# Altium PCB WunderBar_v102b.PcbDoc (part 1 of 7) (continued)
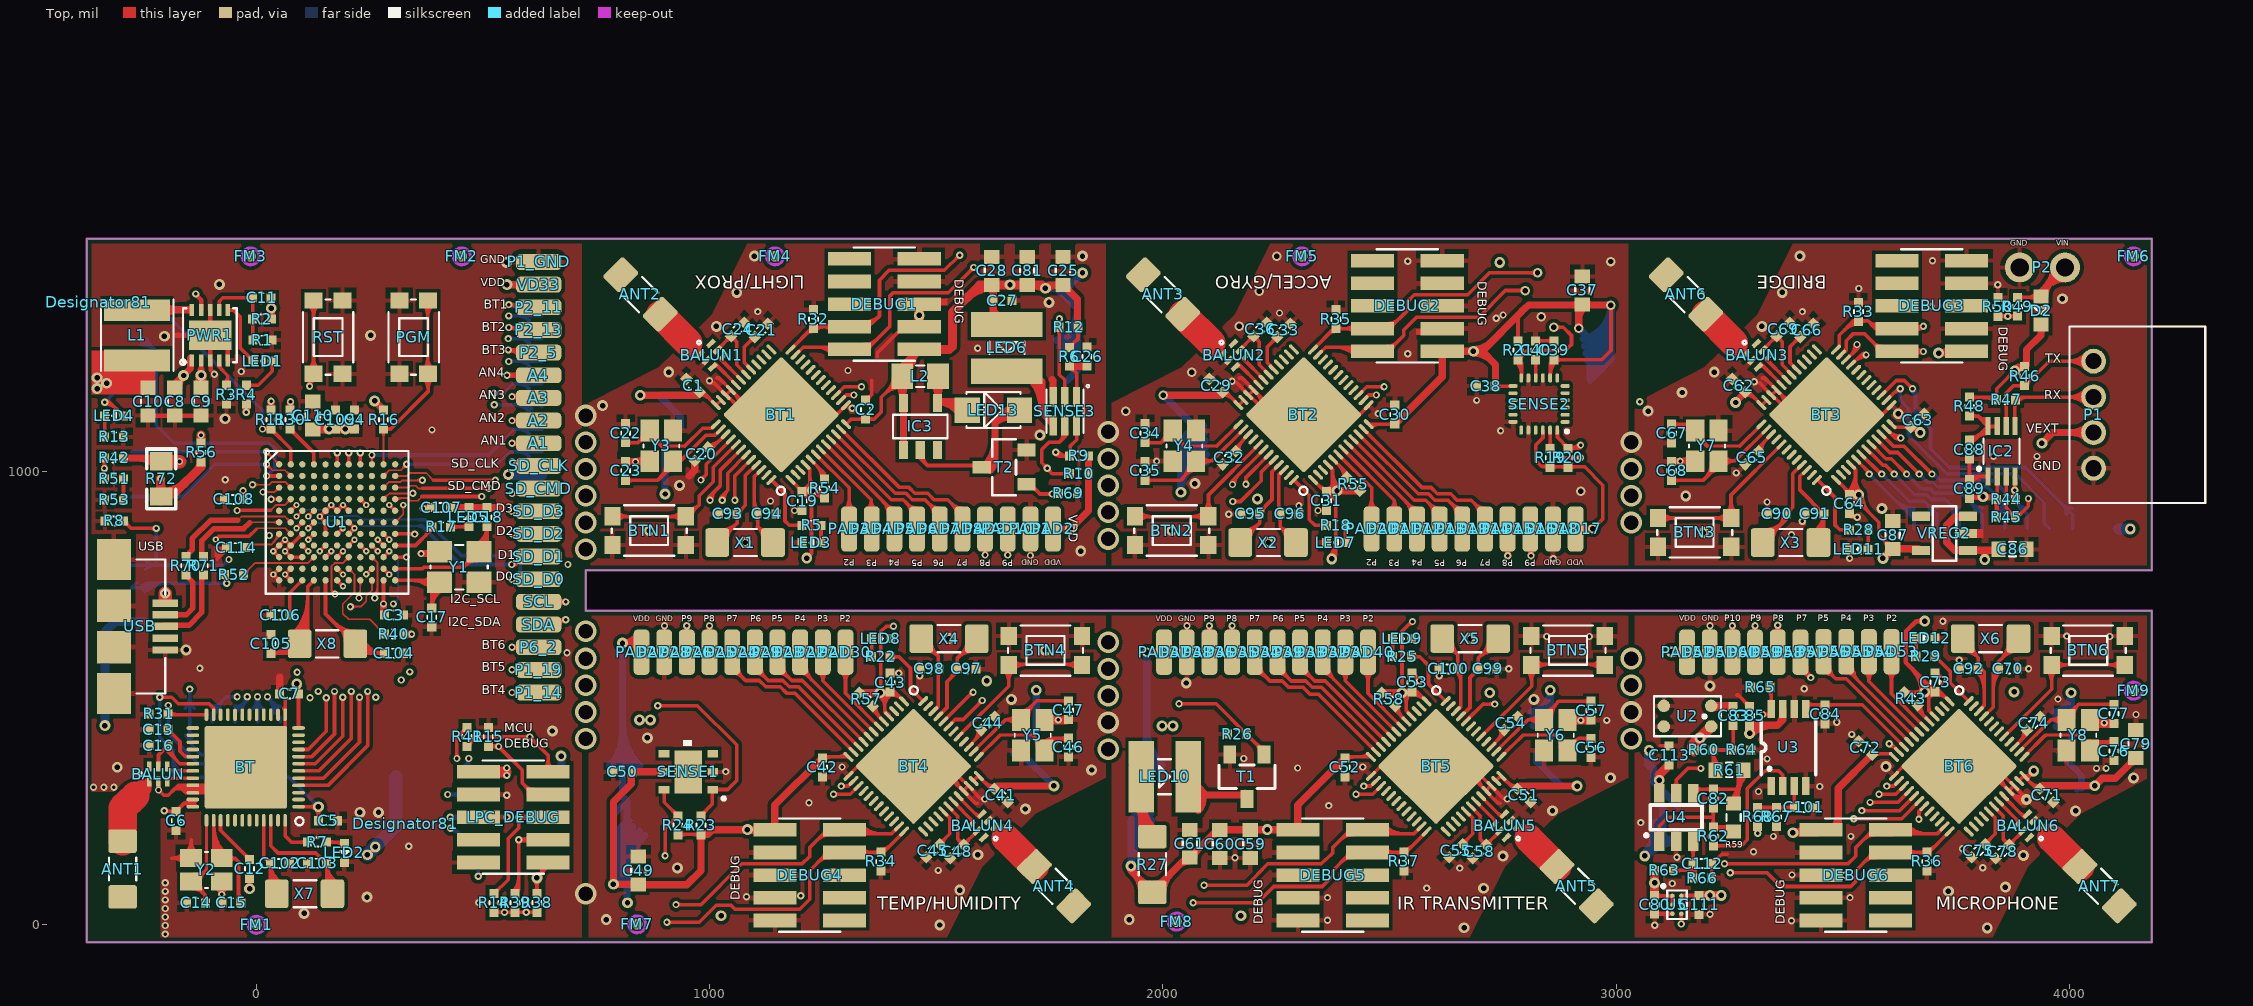
[diagram p0: Top view]
## Components (designator, comment, footprint, x,y, rotation, side; value= is the part's Value field where it differs from the comment) (continued)
LED2 "YELLOW" 0402_POLAR 193.96,159 r270 top
LED3 "YELLOW" 0402_POLAR 1224.48,843.48 r180 top
LED4 "YELLOW" 0402_POLAR -314.35,1122.93 r180 top
LED5 "YELLOW" 0402_POLAR 468.48,899.52 r90 top
LED6 "SFH4441" MIDLED 1655.48,1273.48 r270 top
LED7 "YELLOW" 0402_POLAR 2381.48,843.48 r180 top
LED8 "YELLOW" 0402_POLAR 1377.48,631.48 r0 top
LED9 "YELLOW" 0402_POLAR 2527.48,631.48 r0 top
LED10 "SFH4441" MIDLED 2003.48,326.48 r0 top
LED11 "YELLOW" 0402_POLAR 3535.48,828.48 r180 top
LED12 "YELLOW" 0402_POLAR 3682.67,632.48 r0 top
LED13 "White" LED3X2 1625.48,1135.48 r0 top
LPC_DEBUG "DEBUG" 2X05_SMT 566.48,237.48 r270 top
NRF_DEBUG "DEBUG" 2X05_SMT -67.52,225.48 r270 bottom
P1 "GROVE_CONN" GROVE-CONN-TH 4053.58,1125.48 r180 top
P1_14 "P1" PCB_MEDIUM_RECT_PAD 622.48,512.48 r0 top
P1_19 "P1" PCB_MEDIUM_RECT_PAD 622.48,562.48 r0 top
P1_GND "GND" PCB_MEDIUM_RECT_PAD 622.48,1462.48 r180 top
P2 "header" 1X02_ROUND 3940.48,1450.48 r0 top
P2_5 "P1" PCB_MEDIUM_RECT_PAD 622.48,1262.48 r0 top
P2_11 "P1" PCB_MEDIUM_RECT_PAD 622.48,1362.48 r0 top
P2_13 "P1" PCB_MEDIUM_RECT_PAD 622.48,1312.48 r0 top
P6_2 "P1" PCB_MEDIUM_RECT_PAD 622.48,612.48 r0 top
PAD1 "P1" PCB_MEDIUM_RECT_PAD 1707.48,873.48 r90 top
PAD2 "P1" PCB_MEDIUM_RECT_PAD 1757.48,873.48 r90 top
PAD3 "P1" PCB_MEDIUM_RECT_PAD 1307.48,873.48 r90 top
PAD4 "P1" PCB_MEDIUM_RECT_PAD 1357.48,873.48 r90 top
PAD5 "P1" PCB_MEDIUM_RECT_PAD 1407.48,873.48 r90 top
PAD6 "P1" PCB_MEDIUM_RECT_PAD 1457.48,873.48 r90 top
PAD7 "P1" PCB_MEDIUM_RECT_PAD 1507.48,873.48 r90 top
PAD8 "P1" PCB_MEDIUM_RECT_PAD 1557.48,873.48 r90 top
PAD9 "P1" PCB_MEDIUM_RECT_PAD 1607.48,873.48 r90 top
PAD10 "P1" PCB_MEDIUM_RECT_PAD 1657.48,873.48 r90 top
PAD11 "P1" PCB_MEDIUM_RECT_PAD 2510.48,873.48 r90 top
PAD12 "P1" PCB_MEDIUM_RECT_PAD 2560.48,873.48 r90 top
PAD13 "P1" PCB_MEDIUM_RECT_PAD 2610.48,873.48 r90 top
PAD14 "P1" PCB_MEDIUM_RECT_PAD 2710.48,873.48 r90 top
PAD15 "P1" PCB_MEDIUM_RECT_PAD 2760.48,873.48 r90 top
PAD16 "P1" PCB_MEDIUM_RECT_PAD 2810.48,873.48 r90 top
PAD17 "P1" PCB_MEDIUM_RECT_PAD 2910.48,873.48 r90 top
PAD18 "P1" PCB_MEDIUM_RECT_PAD 2860.48,873.48 r90 top
PAD19 "P1" PCB_MEDIUM_RECT_PAD 2660.48,873.48 r90 top
PAD20 "P1" PCB_MEDIUM_RECT_PAD 2460.48,873.48 r90 top
PAD21 "P1" PCB_MEDIUM_RECT_PAD 1249.48,601.48 r270 top
PAD22 "P1" PCB_MEDIUM_RECT_PAD 1199.48,601.48 r270 top
PAD23 "P1" PCB_MEDIUM_RECT_PAD 1149.48,601.48 r270 top
PAD24 "P1" PCB_MEDIUM_RECT_PAD 1049.48,601.48 r270 top
PAD25 "P1" PCB_MEDIUM_RECT_PAD 999.48,601.48 r270 top
PAD26 "P1" PCB_MEDIUM_RECT_PAD 949.48,601.48 r270 top
PAD27 "P1" PCB_MEDIUM_RECT_PAD 849.48,601.48 r270 top
PAD28 "P1" PCB_MEDIUM_RECT_PAD 899.48,601.48 r270 top
PAD29 "P1" PCB_MEDIUM_RECT_PAD 1099.48,601.48 r270 top
PAD30 "P1" PCB_MEDIUM_RECT_PAD 1299.48,601.48 r270 top
PAD31 "P1" PCB_MEDIUM_RECT_PAD 2402.48,601.48 r270 top
PAD32 "P1" PCB_MEDIUM_RECT_PAD 2352.48,601.48 r270 top
PAD33 "P1" PCB_MEDIUM_RECT_PAD 2302.48,601.48 r270 top
PAD34 "P1" PCB_MEDIUM_RECT_PAD 2202.48,601.48 r270 top
PAD35 "P1" PCB_MEDIUM_RECT_PAD 2152.48,601.48 r270 top
PAD36 "P1" PCB_MEDIUM_RECT_PAD 2102.48,601.48 r270 top
PAD37 "P1" PCB_MEDIUM_RECT_PAD 2002.48,601.48 r270 top
PAD38 "P1" PCB_MEDIUM_RECT_PAD 2052.48,601.48 r270 top
PAD39 "P1" PCB_MEDIUM_RECT_PAD 2252.48,601.48 r270 top
PAD40 "P1" PCB_MEDIUM_RECT_PAD 2452.48,601.48 r270 top
PAD41 "P1" PCB_MEDIUM_RECT_PAD 3707.13,873.48 r270 bottom
PAD42 "P1" PCB_MEDIUM_RECT_PAD 3757.13,873.48 r270 bottom
PAD43 "P1" PCB_MEDIUM_RECT_PAD 3807.13,873.48 r270 bottom
PAD44 "P1" PCB_MEDIUM_RECT_PAD 3907.13,873.48 r270 bottom
PAD45 "P1" PCB_MEDIUM_RECT_PAD 3957.13,873.48 r270 bottom
PAD46 "P1" PCB_MEDIUM_RECT_PAD 4007.13,873.48 r270 bottom
PAD47 "P1" PCB_MEDIUM_RECT_PAD 4107.13,873.48 r270 bottom
PAD48 "P1" PCB_MEDIUM_RECT_PAD 4057.13,873.48 r270 bottom
PAD49 "P1" PCB_MEDIUM_RECT_PAD 3857.13,873.48 r270 bottom
PAD50 "P1" PCB_MEDIUM_RECT_PAD 3657.13,873.48 r270 bottom
PAD51 "P1" PCB_MEDIUM_RECT_PAD 3206.52,601.48 r90 top
PAD52 "P1" PCB_MEDIUM_RECT_PAD 3156.5,601.48 r90 top
PAD53 "P1" PCB_MEDIUM_RECT_PAD 3607.66,602.48 r90 top
PAD54 "P1" PCB_MEDIUM_RECT_PAD 3557.64,602.48 r90 top
PAD55 "P1" PCB_MEDIUM_RECT_PAD 3507.62,602.48 r90 top
PAD56 "P1" PCB_MEDIUM_RECT_PAD 3457.61,602.48 r90 top
PAD57 "P1" PCB_MEDIUM_RECT_PAD 3406.59,601.48 r90 top
PAD58 "P1" PCB_MEDIUM_RECT_PAD 3356.57,601.48 r90 top
PAD59 "P1" PCB_MEDIUM_RECT_PAD 3306.55,601.48 r90 top
PAD60 "P1" PCB_MEDIUM_RECT_PAD 3256.53,601.48 r90 top
PGM "Tact Sw 4.6x2.8" CK-KMR2 346.48,1296.48 r0 top
PWR1 "LTC4081DFN" LTC4080_DFN -102.52,1300.48 r90 top
R1 "95k3" 0402 13,1289.96 r180 top
R2 "300k" 0402 11.48,1336.48 r0 top
R3 "2K94" 0402 -66.52,1169.48 r90 top
R4 "220" 0402 -22.52,1169.81 r270 top
R5 "220" 0402 1224.48,881.48 r0 top
R6 "22" 0402 1793.48,1253.48 r270 top
R7 "220" 0402 133.48,182.48 r0 top
R8 "10k" 0402 -314.23,891.13 r0 top
R9 "10k" 0402 1814.48,1034.48 r0 top
R10 "10k" 0402 1814.48,995.48 r0 top
R11 "10k" 0402 31.7,1114.48 r90 top
R12 "10k" 0402 1791.48,1318.48 r0 top
R13 "220" 0402 -314.35,1076.52 r180 top
R14 "10k" 0402 523.48,48.48 r270 top
R15 "10k" 0402 511.48,414.48 r90 top
R16 "10k" 0402 280.14,1114.48 r90 top
R17 "220" 0402 407.48,877.85 r180 top
R18 "220" 0402 2381.48,881.48 r0 top
R19 "10k" 0402 2854.48,1030.48 r270 top
R20 "10k" 0402 2893.48,1030.48 r270 top
R21 "10k" 0402 2783.48,1267.48 r90 top
R22 "220" 0402 1377.49,591.49 r180 top
R23 "10k" 0402 980.48,219.48 r270 top
R24 "10k" 0402 929.48,219.48 r270 top
R25 "220" 0402 2527.82,591.49 r180 top
R26 "10k" 0402 2163.48,420.48 r0 top
R27 "20 0.2W" 1206_MINIMELF_COMBO 1976.48,133.48 r270 top
R28 "220" 0402 3535.48,871.48 r0 top
R29 "220" 0402 3683,592.49 r180 top
R30 "100" 0402 73.93,1114.81 r270 top
R31 "10k" 0402 -216.52,465.48 r0 top
R32 "10k" 0402 1228.48,1336.48 r270 top
R33 "10k" 0402 3534.48,1352.48 r270 top
R34 "10k" 0402 1377.48,139.48 r90 top
R35 "10k" 0402 2381.48,1336.48 r270 top
R36 "10k" 0402 3685.5,139.5 r90 top
R37 "10k" 0402 2531.48,139.48 r90 top
R38 "10k" 0402 618.48,48.48 r270 top
R39 "10k" 0402 570.48,48.48 r270 top
R40 "10k" 0402 302.76,641.32 r0 top
R41 "10k" 0402 464.48,414.48 r90 top
R42 "10k" 0402 -314.68,1030.11 r0 top
R43 "100" 0402 3650.24,498.83 r315 top
R44 "10k" 0402 3860.48,938.48 r180 top
R45 "10k" 0402 3860.48,899.48 r180 top
R46 "10k" 0402 3901.48,1210.48 r90 top
R47 "10k" 0402 3860.48,1158.48 r180 top
R48 "10k" 0402 3779.48,1143.48 r90 top
R49 "4k7" 0402 3885.48,1363.48 r90 top
R50 "4k7" 0402 3842.48,1363.48 r270 top
R51 "3k74" 0402 -314.35,983.7 r180 top
R52 "100" 0402 -50.22,772.48 r0 top
R53 "0" 0402 -314.7,937.29 r0 top
R54 "100" 0402 1253.54,962.85 r90 top
R55 "100" 0402 2420.13,972.38 r135 top
R56 "10k" 0402 -122.52,1042.15 r90 top
R57 "100" 0402 1344.9,497.35 r315 top
R58 "100" 0402 2497.66,497.41 r315 top
R59 "1M" 0603 3258.97,236.75 r270 top
R60 "10k 0.1%" 0402 3192.97,385.67 r0 top
R61 "10k" 0603 3249.73,341.31 r0 top
R62 "100k" 0402 3214.3,194.99 r270 top
R63 "10k 0.1%" 0402 3105.67,120 r0 top
R64 "10k 0.1%" 0402 3275.96,385.67 r0 top
R65 "1M" 0402 3318.33,524.08 r180 top
R66 "10k 0.1%" 0402 3190.17,103 r180 top
R67 "100k" 0402 3353.77,237.75 r90 top
R68 "100k" 0402 3312.28,237.75 r90 top
R69 "10k" 0402 1790.96,952 r180 top
R70 "22" 0402 -156,792 r90 top
R71 "22" 0402 -117.52,792 r90 top
R72 "0" "0805 v3" -210.52,944.7 r90 top (schematic designator D1)
RST "Tact Sw 4.6x2.8" CK-KMR2 157.48,1296.48 r0 top
SCL "P1" PCB_MEDIUM_RECT_PAD 622.48,712.48 r180 top
SD_CLK "P1" PCB_MEDIUM_RECT_PAD 622.48,1012.48 r180 top
SD_CMD "P1" PCB_MEDIUM_RECT_PAD 622.48,962.48 r180 top
SD_D0 "P1" PCB_MEDIUM_RECT_PAD 622.48,762.48 r180 top
SD_D1 "P1" PCB_MEDIUM_RECT_PAD 622.48,812.48 r180 top
SD_D2 "P1" PCB_MEDIUM_RECT_PAD 622.48,862.48 r180 top
SD_D3 "P1" PCB_MEDIUM_RECT_PAD 622.48,912.48 r180 top
SDA "P1" PCB_MEDIUM_RECT_PAD 622.48,662.48 r180 top
SENSE1 "HTU21D" HTU21D 952.48,337.48 r0 top
SENSE2 "MPU6500QFN" QFN24-0.4 2830.48,1149.48 r180 top
SENSE3 "TCS37717FN" DFN-6-0.65 1783.48,1133.48 r270 top
T1 "AO3418" SOT23 2185.48,326.48 r180 top
T2 "AO3418" SOT23 1649.48,1009.48 r90 top
U1 "MK24FN1M0VDC12" BGA121-0.65 177.78,888 r0 top
U2 "SPQ0410HR5H-B" SPQ0410HR5H-B 3157.4,460.25 r270 top
U3 "LTC1966" MSOP-8 3380.4,391.32 r90 top
U4 "TLV2760" DBV-6 3095.01,183.77 r0 top
U5 "TPS22924C" YZP-6 3134,44 r180 top
USB "USB MICRO AB" USB_MICRO_SMD -314.52,658.48 r270 top
VD33 "P1" PCB_MEDIUM_RECT_PAD 622.48,1412.48 r180 top
VREG2 "MCP1801T-3302" SOT-23-5 3724.48,863.48 r90 top
WIFI "GS1500M" GAINSPANM 177.48,1147.48 r0 bottom
WIFI_DEBUG "DEBUG" 2X05_SMT 566.48,237.48 r270 bottom
X1 "32.768 KHz" 1206_MINIMELF_COMBO 1078.48,843.48 r180 top
X2 "32.768 KHz" 1206_MINIMELF_COMBO 2232.48,843.48 r180 top
X3 "32.768 KHz" 1206_MINIMELF_COMBO 3385.48,843.48 r180 top
X4 "32.768 KHz" 1206_MINIMELF_COMBO 1527.48,631.48 r0 top
X5 "32.768 KHz" 1206_MINIMELF_COMBO 2677.48,631.48 r0 top
X6 "32.768 KHz" 1206_MINIMELF_COMBO 3825.73,631.48 r0 top
X7 "32.768 KHz" 1206_MINIMELF_COMBO 106.48,68.48 r180 top
X8 "32.768 KHz" 1206_MINIMELF_COMBO 156,620 r0 top
Y1 "12MHz 12pF" ABM8G 447.02,789.02 r0 top
Y2 "16MHz 10pF" CRYSTAL25X20 -110.52,121.48 r180 top
Y3 "16MHz 10pF" CRYSTAL25X20 893.48,1056.48 r90 top
Y4 "16MHz 10pF" CRYSTAL25X20 2047.48,1056.48 r90 top
Y5 "16MHz 10pF" CRYSTAL25X20 1712.48,418.48 r270 top
Y6 "16MHz 10pF" CRYSTAL25X20 2866.48,418.48 r270 top
Y7 "16MHz 10pF" CRYSTAL25X20 3200.48,1056.48 r90 top
Y8 "16MHz 10pF" CRYSTAL25X20 4019.48,418.48 r270 top

## Footprints (in the part's own frame and the unit in brackets; to place one, negate y for a bottom-side part, rotate by r counter-clockwise, add the part's x,y. Pads: shape width x height; smd on the part's side, far side on the other; paste and mask are expansions set on the pad)
1X02_ROUND [mil] "1X02_ROUND"
  round 66 hole 40: 1(-50,0) 2(50,0)
2X05_SMT [mil] "2X05_SMT"
  rect 30x95 smd paste-98.43: 1(-100,-76.77) 2(-100,77) 3(-50,-76.77) 4(-50,77) 5(0,-76.77) 6(0,77) 7(50,-76.77) 8(50,77) 9(100,-76.77) 10(100,77)
  silkscreen extent -125,-68 125,68
6-PIN-0603 [mil] "6-PIN-0603"
  rect 22x10 smd: 1(-16.73,20) 2(-16.73,0) 3(-16.73,-19.68) 4(17,-19.68) 5(17,0) 6(17,20)
  silkscreen extent -4,36 4,44
0402 [mil] "0402"
  rect 20x20 smd: 1(-20.67,0) 2(21,0)
  silkscreen extent -4,-10 4,10, body extent -20,-10 20,10, height 20
0402_POLAR [mil] "0402_POLAR"
  rect 20x20 smd: A(-20.67,0) K(21,0)
  silkscreen extent -4,-10 4,10
0603 [mil] "0603"
  rect 31x34 smd: 1(-30.5,0) 2(31,0)
  silkscreen extent -7,-16 7,16
0603_POLAR [mil] "0603_POLAR"
  rect 31x34 smd: A(-30.5,0) K(31,0)
  silkscreen extent -7,-16 7,16
"0805 v3" [mil]
  rect 40x50 smd: 1(0,0) 2(78,0)
  silkscreen extent -27,-32 105,32
0805_MICROMELF_COMBO [mil] "0805_MICROMELF_COMBO"
  rect 48x56 smd: 1(-39.37,0) 2(40,0)
  silkscreen extent -9,-24 9,24
1206_MINIMELF_COMBO [mil] "1206_MINIMELF_COMBO"
  rrect20% 52x63 smd: 1(-61.02,0) 2(62,0)
  silkscreen extent -25,-30 25,30
ABM8G [mil] "ABM8G"
  rect 55x47 smd: 1(-43.5,-33.5) 2(44,-33.5) 3(44,34) 4(-43.5,34)
  silkscreen extent -63,-49 63,49
BGA121-0.65 [mil] "BGA100-0.8"
  rrect100% 14x14 smd: A1(-127.97,127.94) A2(-102.37,127.92) A3(-76.8,127.92) A4(-51.21,127.93) A5(-25.61,127.94) A6(0,127.92) A7(25.58,127.94) A8(51.18,127.93) A9(76.76,127.92) A10(102.36,127.92) A11(127.96,127.93) B1(-127.97,102.36) B2(-102.37,102.34) B3(-76.8,102.33) B4(-51.21,102.35) B5(-25.61,102.36) B6(0,102.34) B7(25.58,102.36) B8(51.18,102.35) B9(76.76,102.33) B10(102.36,102.34) B11(127.96,102.35) C1(-127.97,76.78) C2(-102.37,76.76) C3(-76.8,76.76) C4(-51.21,76.77) C5(-25.61,76.78) C6(0,76.76) C7(25.58,76.78) C8(51.18,76.77) C9(76.76,76.76) C10(102.36,76.76) C11(127.96,76.77) D1(-127.97,51.21) D2(-102.37,51.19) D3(-76.8,51.18) D4(-51.21,51.2) D5(-25.61,51.2) D6(0,51.19) D7(25.58,51.2) D8(51.18,51.2) D9(76.76,51.18) D10(102.36,51.19) D11(127.96,51.2) E1(-127.97,25.62) E2(-102.37,25.6) E3(-76.8,25.59) E4(-51.21,25.61) E5(-25.61,25.61) E6(0,25.6) E7(25.58,25.61) E8(51.18,25.61) E9(76.76,25.59) E10(102.36,25.6) E11(127.96,25.61) F1(-127.97,0.03) F2(-102.37,0.02) F3(-76.8,0.01) F4(-51.21,0.02) F5(-25.61,0.03) F6(0,0.02) F7(25.58,0.03) F8(51.18,0.02) F9(76.76,0.01) F10(102.36,0.02) F11(127.96,0.02) G1(-127.97,-25.54) G2(-102.37,-25.56) G3(-76.8,-25.57) G4(-51.21,-25.55) G5(-25.61,-25.54) G6(0,-25.56) G7(25.58,-25.54) G8(51.18,-25.55) G9(76.76,-25.57) G10(102.36,-25.56) G11(127.96,-25.55) H1(-127.97,-51.14) H2(-102.37,-51.16) H3(-76.8,-51.17) H4(-51.21,-51.15) H5(-25.61,-51.14) H6(0,-51.16) H7(25.58,-51.14) H8(51.18,-51.15) H9(76.76,-51.17) H10(102.36,-51.16) H11(127.96,-51.15) J1(-127.97,-76.75) J2(-102.37,-76.76) J3(-76.8,-76.77) J4(-51.21,-76.76) J5(-25.61,-76.75) J6(0,-76.76) J7(25.58,-76.75) J8(51.18,-76.76) J9(76.76,-76.77) J10(102.36,-76.76) J11(127.96,-76.75) K1(-127.97,-102.33) K2(-102.37,-102.35) K3(-76.8,-102.35) K4(-51.21,-102.34) K5(-25.61,-102.33) K6(0,-102.35) K7(25.58,-102.33) K8(51.18,-102.34) K9(76.76,-102.35) K10(102.36,-102.35) K11(127.96,-102.34) L1(-127.97,-127.9) L2(-102.37,-127.92) L3(-76.8,-127.93) L4(-51.21,-127.91) L5(-25.61,-127.91) L6(0,-127.92) L7(25.58,-127.91) L8(51.18,-127.91) L9(76.76,-127.93) L10(102.36,-127.92) L11(127.96,-127.91)
  silkscreen extent -158,-157 157,158
BK-912 [mil] "BK-912"
  rect 110x200 smd: +1(-430,0) +2(430,0)
  rrect100% 700x700 smd paste-708.66: -(0,0)
  silkscreen extent -415,-310 415,290
CK-KMR2 [mil] "CK-KMR2"
  rect 40x36 smd: P1(-31.5,81) P2(-31.5,-80.71) P3(32,81) P4(32,-80.71)
  silkscreen extent -55,-83 56,83
CRYSTAL25X20 [mil] "CRYSTAL25X20"
  rect 48x40 smd: 1(-33.46,-25.59) 2(34,-25.59) 3(34,26) 4(-33.46,26)
  silkscreen extent -4,-39 4,40
DBV-6 [mm]
  rect 0.6x1.05 smd: 1(0,0) 2(0.95,0) 3(1.9,0) 4(1.9,2.7) 5(0.95,2.7) 6(0,2.7)
  silkscreen extent -0.5,0.65 2.4,2.05
DFN-6-0.65 [mil] "DFN-6-0.65"
  rect 44x16 smd: 1(-31.5,26) 2(-31.5,0) 3(-31.5,-25.59) 4(32,-25.59) 5(32,0) 6(32,26)
  silkscreen extent -58,-41 48,54
"FIDUCIAL MARK 0.6MM" [mm]
  round 0.6 smd paste-0.6 mask+0.4: 0(0,0)
  Top keep-out circle w0.178: c0,0 r0.475
GAINSPANM [mil] "GAINSPANM"
  rect 75x36 smd: 1(453,-246) 2(453,-196) 3(453,-146) 4(453,-96) 5(453,-46) 6(453,4) 7(453,54) 8(453,104) 9(453,154) 10(453,204) 11(453,254) 12(453,304) 13(453,354) 14(453,404) 15(453,454) 16(453,504) 17(453,554) 32(-452.5,554) 33(-452.5,504) 34(-452.5,454) 35(-452.5,404) 36(-452.5,354) 37(-452.5,304) 38(-452.5,254) 39(-452.5,204) 40(-452.5,154) 41(-452.5,104) 42(-452.5,54) 43(-452.5,4) 44(-452.5,-46) 45(-452.5,-96) 46(-452.5,-146) 47(-452.5,-196) 48(-452.5,-246)
  rect 36x75 smd: 18(325,699) 19(275,699) 20(225,699) 25(-25,699) 26(-75,699) 27(-125,699) 28(-175,699) 29(-225,699) 30(-275,699) 31(-325,699)
  rect 36x55.12 smd: 21(175,689.06) 22(125,689.06) 23(75,689.06) 24(25,689.06)
  silkscreen extent -450,-750 450,700
GROVE-CONN-TH [mm] "S4B-PH-SM4-KL(LF)(SN)"
  round 1.4 hole 0.9: 1(0,3) 2(0,1) 3(0,-1) 4(0,-3)
  silkscreen extent -6.25,-4.95 1.35,4.95
HTU21D [mil] "HTU21D"
  rect 24x16 smd: 1(54,-39.37) 2(54,0) 3(54,40) 4(-53.15,40) 5(-53.15,0) 6(-53.15,-39.37)
  rect 60x95 smd: PAD(0,0)
INDUCTOR_40X40 [mil] "INDUCTOR_40X40"
  rect 48x146 smd: 1(-55.12,0) 2(56,0)
  silkscreen extent -79,-80 79,80
LED3X2 [mil] "LED3X2"
  rect 56x56 smd: A(-57.09,0) K(58,0)
  silkscreen extent -59,-39 60,40
LTC4080_DFN [mil] "LTC4080_DFN"
  rect 27x10 smd mask+3: 1(-55.61,40) 2(-55.61,20) 3(-55.61,0) 4(-55.61,-19.68) 5(-55.61,-39.37) 6(56,-39.37) 7(56,-19.68) 8(56,0) 9(56,20) 10(56,40)
  rect 65x94 smd mask+3: 11(0,0)
  silkscreen extent -65,-59 60,66
MIDLED [mm] "MIDLED"
  rect 0.522x2.1 smd paste-1.5 mask-1.5: A(-1.75,0) C(1.771,0)
  rect 1.422x1 smd paste-1.5 mask-1.5: A(-1.3,1.507) A(-1.3,-1.507) C(1.321,1.507) C(1.321,-1.507)
  rect 0.9x2.1 smd: A(-1.039,0) C(1.06,0)
  silkscreen extent -0.35,-0.97 0.36,0.99
MSOP-8 [mil]
  rect 40x16.5 smd mask+3: 1(-85,38.4) 2(-85,12.8) 3(-85,-12.8) 4(-85,-38.4) 5(85,-38.4) 6(85,-12.8) 7(85,12.8) 8(85,38.4)
  silkscreen extent -60,-60 60,60
PCB_MEDIUM_RECT_PAD [mil] "PCB_MEDIUM_RECT_PAD"
  rrect50% 100x35 smd paste-102.36: 1(0,0)
QFN24-0.4 [mil] "QFN24-0.4"
  rrect75% 20x8 smd: 1(-57.09,40) 2(-57.09,24) 3(-57.09,8) 4(-57.09,-7.87) 5(-57.09,-23.62) 6(-57.09,-39.37) 13(58,-39.37) 14(58,-23.62) 15(58,-7.87) 16(58,8) 17(58,24) 18(58,40)
  rrect75% 8x20 smd: 7(-39.37,-57.09) 8(-23.62,-57.09) 9(-7.87,-57.09) 10(8,-57.09) 11(24,-57.09) 12(40,-57.09) 19(40,58) 20(24,58) 21(8,58) 22(-7.87,58) 23(-23.62,58) 24(-39.37,58)
QFN48_EP [mil] "QFN48_EP"
  rrect100% 28x8 smd mask+3: 1(-116.14,87) 2(-116.14,71) 3(-116.14,56) 4(-116.14,40) 5(-116.14,24) 6(-116.14,8) 7(-116.14,-7.87) 8(-116.14,-23.62) 9(-116.14,-39.37) 10(-116.14,-55.12) 11(-116.14,-70.87) 12(-116.14,-86.61) 25(117,-86.61) 26(117,-70.87) 27(117,-55.12) 28(117,-39.37) 29(117,-23.62) 30(117,-7.87) 31(117,8) 32(117,24) 33(117,40) 34(117,56) 35(117,71) 36(117,87)
  rrect100% 8x28 smd mask+3: 13(-86.61,-116.14) 14(-70.87,-116.14) 15(-55.12,-116.14) 16(-39.37,-116.14) 17(-23.62,-116.14) 18(-7.87,-116.14) 19(8,-116.14) 20(24,-116.14) 21(40,-116.14) 22(56,-116.14) 23(71,-116.14) 24(87,-116.14) 37(87,117) 38(71,117) 39(56,117) 40(40,117) 41(24,117) 42(8,117) 43(-7.87,117) 44(-23.62,117) 45(-39.37,117) 46(-55.12,117) 47(-70.87,117) 48(-86.61,117)
  rrect5% 182x182 smd: PAD(0,0)
  silkscreen extent -127,110 -109,128, body extent -118,-119 120,118, height 33
RELAYR-LOGO [mil] "RELAYR-LOGO"
S2B-PH-SM4-TB [mil] "S2B-PH-SM4-TB"
  rect 40x138 smd: 1(40,-155.91) 2(-39.37,-155.91)
  rect 60x134 smd: 3(-131.89,60) 4(132,60)
  silkscreen extent -156,-181 156,119
SOT23 [mil] "SOT23"
  rect 28x40 smd: 1(-37.4,-49.21) 2(38,-49.21) 3(0,49.21)
  silkscreen extent -62,-26 62,26, body extent -57,-55 57,55, height 51
SOT-23-5 [mil] "SOT-23-5"
  rect 20x40 smd mask+3: 1(-37.4,-52) 2(0,-52) 3(38,-52) 4(38,52) 5(-37.4,52)
  silkscreen extent -60,-26 60,26, body extent -57,-55 57,55, height 57
SPQ0410HR5H-B [mm]
  round 0.7 smd: 1(0.575,1.33) 2(0.575,-1.33) 3(-0.575,-1.33) 4(-0.575,1.33)
  silkscreen extent -1.12,-1.88 1.12,1.88
US8 [mil] "US8"
  rect 40x12 smd: 1(-55.12,30) 2(-55.12,10) 3(-55.12,-9.84) 4(-55.12,-29.53) 5(56,-29.53) 6(56,-9.84) 7(56,10) 8(56,30)
  silkscreen extent -28,-39 28,40
USB_MICRO_SMD [mil] "USB_MICRO_SMD"
  rect 16x56 smd: 1_VBUS(-51.18,113) 2_D-(-25.59,113) 3_D+(0,113) 4_ID_NC(26,113) 5_GND(52,113)
  rect 91x75 smd: SHIELD(-147.64,0) SHIELD(148,0)
  rect 71x75 smd: SHIELD(-45.28,0) SHIELD(46,0)
  silkscreen extent -148,50 148,113
WunderBar_LOGO [mil]
YZP-6 [mm]
  round 0.25 smd: 1A(0.25,-0.5) 1B(0.25,0) 1C(0.25,0.5) 2A(-0.25,-0.5) 2B(-0.25,0) 2C(-0.25,0.5)
  silkscreen extent -0.55,-0.8 0.55,0.8

## Part data
A1 A2 A3 A4 P1_14 P1_19 P1_GND P2_5 P2_11 P2_13 P6_2 PAD1 PAD2 PAD3 PAD4 PAD5 PAD6 PAD7 PAD8 PAD9 PAD10 PAD11 PAD12 PAD13 PAD14 PAD15 PAD16 PAD17 PAD18 PAD19 PAD20 PAD21 PAD22 PAD23 PAD24 PAD25 PAD26 PAD27 PAD28 PAD29 PAD30 PAD31 PAD32 PAD33 PAD34 PAD35 PAD36 PAD37 PAD38 PAD39 PAD40 PAD41 PAD42 PAD43 PAD44 PAD45 PAD46 PAD47 PAD48 PAD49 PAD50 PAD51 PAD52 PAD53 PAD54 PAD55 PAD56 PAD57 PAD58 PAD59 PAD60 SCL SD_CLK SD_CMD SD_D0 SD_D1 SD_D2 SD_D3 SDA VD33: library part HEADER-1X1SMD_MEDIUM, "<b>PIN HEADER</b>"
ANT1 ANT2 ANT3 ANT4 ANT5 ANT6 ANT7: library part ANTENNA_MONOPOLE1206, "2.45 GHz Antenna"
BALUN BALUN1 BALUN2 BALUN3 BALUN4 BALUN5 BALUN6: library part BALUN, "2.45 GHz Impedance Matched Balun-Filter"
BAT1 BAT2 BAT3 BAT4 BAT5: "Coin battery holder"
BATT: library part HEADER-1X2JST-PH-H, "LI-Poly battery connector"
BT BT1 BT2 BT3 BT4 BT5 BT6: "Nordic Bluetooth 4.0 low energy modul"
BTN1 BTN2 BTN3 BTN4 BTN5 BTN6 PGM RST: library part PUSHBUTTONKMR2XX, "Push button"
C1 C2 C5 C6 C7 C11 C12 C13 C14 C15 C16 C19 C20 C21 C22 C23 C24 C26 C27 C29 C30 C31 C32 C33 C34 C35 C36 C38 C39 C40 C41 C42 C43 C44 C45 C46 C47 C48 C50 C51 C52 C53 C54 C55 C56 C57 C58 C62 C63 C64 C65 C66 C67 C68 C69 C88 C89 C90 C91 C93 C94 C95 C96 C97 C98 C99 C100 C102 C103: library part CAP_CERAMIC0402, "Ceramic Capacitor"
C3 C4 C17 C18 C104 C105 C106 C107 C108 C109 C110 C114: library part CAP_CERAMIC0402, "Ceramic capacitor"
C8 C9 C10 C25 C28 C37 C49 C59 C60 C61 C79 C81 C86 C87: library part CAP_CERAMIC0603, "Ceramic Capacitor"
C70 C71 C72 C73 C74 C75 C76 C77 C78 C80 C82 C83 C84 C85 C92 C101 C111 C112 C113: library part CAP_CERAMIC0402, "Ceramic Capacitors"
D2: library part DIODE0603, "Shottky diode 40V 0.2A"
DEBUG1 DEBUG2 DEBUG3 DEBUG4 DEBUG5 DEBUG6 LPC_DEBUG NRF_DEBUG WIFI_DEBUG: library part HEADER-2X5SMD-1.27MM, "cortex DEBUG connector"
FM1 FM2 FM3 FM4 FM5 FM6 FM7 FM8 FM9 FM10 FM11 FM12 FM13 FM14 FM15 FM16 FM17 FM18: "Fiducial Mark"
IC2: library part PCA9306US8, "I2C bidirectional level translator"
IC3: library part ZXLD383SOT23-5, "Diodes Inc. boost LED driver"
L1: library part INDUCTOR40X40MM, "Generic inductor"
L2: library part INDUCTOR0805, "Inductor"
LED1 LED2 LED3 LED4 LED5 LED7 LED8 LED9 LED11 LED12: library part LED0402, "LED common"
LED6: library part LEDMIDLED, "LED IR emitter 950NM"
LED10: library part LEDMIDLED, "LED common"
LED13: library part LED3X2, "LED common"
P1: library part GROVE_CONNV, "Seeed Grove 4-pin 2mm connector"
P2: library part HEADER-1X2ROUND, "PIN HEADER"
PWR1: library part LTC4080DFN, "Linear Technology Li-Ion battery charger and buck regulator"
R1 R2 R3 R4 R5 R6 R7 R8 R9 R10 R11 R12 R13 R14 R15 R16 R17 R18 R19 R20 R21 R22 R23 R24 R25 R26 R28 R30 R31 R32 R33 R34 R35 R37 R38 R39 R40 R41 R42 R44 R45 R46 R47 R48 R49 R50 R51 R52 R53 R54 R55 R56 R57 R58 R69 R70 R71 R72: library part R-EU_0402, "RESISTOR"
R27: library part R-EU_1206_MINIMELF_COMBO, "RESISTOR"
R29 R36 R43 R59 R60 R61 R62 R63 R64 R65 R66 R67 R68: library part R-EU_0402, "<B>RESISTOR</B>, European symbol"
SENSE1: "Humidity and temperature sensor"
SENSE2: "Invensense MPU6500 combined gyro + accelerometer, I2C"
SENSE3: library part TCS3771, "TAOS/ams color/light/proximity sensor"
T1 T2: library part NMOS_ENH, "N-Channel MOSFET, enhancement mode"
U1: "MK24FN1M0VDC12 121-PIN BGA Microcontroller"
U2: library part SPU0410HR5H-PB, "SPQ0410HR5H-B mic"
U3: "RMS-to-DC converter"
U4: "TI OP-AMP"
U5: library part TPS22963, "LOAD SWITCH"
USB: library part USB_MICROSMD, "Micro USB right angle (AB) connector"
VREG2: library part MCP180XSOT-23-5, "Microchip LDO"
WIFI: library part GAINSPAN1500MXXGAINSPANMEXP, "GAINSPAN WiFi module"
X1 X2 X3 X4 X5 X6 X7 X8: library part CRYSTAL1206, "CL05C120JB5"
Y1: library part CRYSTAL_WITH_GROUNDABM8G, "CX2520DB16000D0GEJCC"
Y2 Y3 Y4 Y5 Y6 Y7 Y8: library part CRYSTAL_WITH_GROUND25X20, "16MHz crystal 2.5x2mm"

## Free pads (board coordinates)
  round 23.62 on Mech8 paste-23.62 mask+15.75: 0(-327,1475) 0(0,0) 0(674,1475) 0(840,1) 0(1144,1475) 0(2030,7) 0(2307,1475) 0(4142.04,516.55) 0(4142.04,1475)
  round 23.62 on Mech7 paste-23.62 mask+15.75: 0(-13,1475) 0(0,0) 0(453,1475) 0(840,1) 0(1144,1475) 0(2030,7) 0(2307,1475) 0(4142.04,516.55) 0(4142.04,1475)

## Via types
v1: diameter 16, hole 8, Top to Bottom, tented both sides, 282 vias
v2: diameter 24, hole 12, Top to Bottom, tented both sides, 135 vias
v3: diameter 14, hole 6, Top to Bottom, tented both sides, 34 vias
v4: diameter 48/41/41/48 (per signal layer), hole 32, Top to Bottom, 30 vias
v5: diameter 16, hole 8, Top to Route2, tented top, 18 vias
v6: diameter 21/21/21/21 (per signal layer), hole 12, Top to Bottom, tented both sides, 15 vias
v7: diameter 24, hole 12, Top to Route2, tented top, 12 vias
v8: diameter 21/21/21/21 (per signal layer), hole 12, Top to Bottom, 1 vias
v9: diameter 24, hole 8, Top to Bottom, tented both sides, 1 vias

## Nets (pads, with @x,y where several pads share a name; then routed paths per layer and width w, separated by ;. In a path a pad name is that pad's centre, name@x,y a point inside that pad or via, vN(x,y) a via of type N, cw(c..) or ccw(c..) an arc to the next point about the centre after c; other vN are vias at no path point)
!LPC_ISP: PGM.P3 PGM.P4 R16.1 U1.A10 | length 643.2
  Top w4: R16.1@274.49,1088.15 cw(c260.83,1074.5) 280.14,1074.5 cw(c299.46,1074.5) R16.1@285.8,1088.15 ; U1.A10@276.61,1019.46 ccw(c268.07,1028) 280.14,1028 ccw(c292.22,1028) U1.A10@283.68,1019.46 ; U1.A10@280.14,1015.92 R16.1@280.14,1093.81
  Top w8: R16.1@280.14,1093.81 295.81,1093.81 378.48,1176.48 378.48,1214.48 377.48,1215.48 PGM.P3@377.48,1377.48 ; R16.1@284.39,1089.57 cw(c294.63,1079.33) 294.63,1093.81 cw(c294.63,1108.3) R16.1@284.39,1098.05 ; PGM.P4@368.58,1205.87 cw(c344.68,1181.97) 378.48,1181.97 cw(c412.28,1181.97) PGM.P4@388.38,1205.87 ; PGM.P4@368.58,1225.67 ccw(c347.1,1247.16) 377.48,1247.16 ; PGM.P3@368.58,1367.58 cw(c347.1,1346.1) 377.48,1346.1 ; 377.48,1251.98 ccw(c414.69,1251.98) PGM.P4@388.38,1225.67 ; 377.48,1341.27 cw(c414.69,1341.27) PGM.P3@388.38,1367.58
ANT_DC: BALUN.5 BT.30 C16.1 | length 232.8
  Top w8: BALUN.5@-216.52,348.48 -216.52,374.48 -195.52,395.48 -195.52,382.48 ; -206.33,384.67 ccw(c-217.13,395.48) C16.1@-201.85,395.48 ; -205.53,385.47 cw(c-195.85,375.79) C16.1@-195.85,389.48 ; C16.1@-199.55,390.76 cw(c-206.04,382.48) -195.52,382.48 ; C16.1@-197.85,395.52 ccw(c-172.71,395.04) -190.82,377.6 ; C16.1@-191.77,391.08 ccw(c-183.77,382.48) -195.52,382.48 ; C16.1@-189.85,395.37 ccw(c-145.4,394.53) -177.43,363.69 ; BT.30@-139.52,355.48 -169.52,355.48 -195.52,382.48
ANT_DC1: BALUN1.5 BT1.30 C24.1 | length 187
  Top w8: BALUN1.5@1016.5,1268.5 1046.48,1298.48 1059.48,1286.48 1059.48,1235.48 BT1.30@1080.48,1213.48 ; C24.1@1040.86,1298.86 cw(c1026.38,1298.86) 1036.62,1288.62 cw(c1046.86,1278.38) C24.1@1046.86,1292.86 ; C24.1@1047.1,1292.87 cw(c1047.61,1280.25) 1056.18,1289.53 ; C24.1@1052.86,1299.1 ccw(c1069.19,1299.76) 1058.1,1287.75
ANT_DC2: BALUN2.5 BT2.30 C36.1 | length 187.7
  Top w8: BALUN2.5@2169.5,1268.5 2199.48,1298.48 2212.48,1286.48 2212.48,1235.48 BT2.30@2234.48,1213.48 ; C36.1@2193.86,1298.86 cw(c2179.38,1298.86) 2189.62,1288.62 cw(c2199.86,1278.38) C36.1@2199.86,1292.86 ; C36.1@2200.1,1292.87 cw(c2200.61,1280.25) 2209.18,1289.53 ; C36.1@2205.86,1299.1 ccw(c2222.19,1299.76) 2211.1,1287.75
ANT_DC3: BALUN4.5 BT4.30 C48.1 | length 187.7
  Top w8: BT4.30@1525.48,261.48 1547.48,239.48 1547.48,188.48 1559.48,176.48 BALUN4.5@1590.46,206.46 ; 1549.46,186.5 ccw(c1560.1,197.14) C48.1@1560.1,182.1 ; 1550.02,185.94 cw(c1540.17,176.1) C48.1@1554.1,176.1 ; C48.1@1560.19,182.09 ccw(c1560.39,194.17) 1568.79,185.49 ; C48.1@1566.09,176 cw(c1582.98,175.72) 1571.24,187.86
ANT_DC4: BALUN5.5 BT5.30 C58.1 | length 187
  Top w8: BT5.30@2679.48,261.48 2700.48,239.48 2700.48,188.48 2713.48,176.48 BALUN5.5@2743.46,206.46 ; 2701.86,187.21 cw(c2690.77,175.2) C58.1@2707.1,175.86 ; 2703.78,185.43 ccw(c2712.35,194.71) C58.1@2712.86,182.09 ; C58.1@2713.1,182.1 ccw(c2713.1,196.58) 2723.34,186.34 ccw(c2733.58,176.1) C58.1@2719.1,176.1
ANT_DC5: BALUN3.5 BT3.30 C69.1 | length 187
  Top w8: BALUN3.5@3323.5,1268.5 3353.48,1298.48 3366.48,1286.48 3366.48,1235.48 BT3.30@3387.48,1213.48 ; C69.1@3347.86,1298.86 cw(c3333.38,1298.86) 3343.62,1288.62 cw(c3353.86,1278.38) C69.1@3353.86,1292.86 ; C69.1@3354.1,1292.87 cw(c3354.61,1280.25) 3363.18,1289.53 ; C69.1@3359.86,1299.1 ccw(c3376.19,1299.76) 3365.1,1287.75
ANT_DC6: BALUN6.5 BT6.30 C78.1 | length 187.7
  Top w8: BT6.30@3832.48,261.48 3854.48,239.48 3854.48,188.48 3867.48,176.48 BALUN6.5@3897.46,206.46 ; 3855.86,187.21 cw(c3844.77,175.2) C78.1@3861.1,175.86 ; 3857.78,185.43 ccw(c3866.35,194.71) C78.1@3866.86,182.09 ; C78.1@3867.1,182.1 ccw(c3867.1,196.58) 3877.34,186.34 ccw(c3887.58,176.1) C78.1@3873.1,176.1
BAL1: BALUN.3 BT.32 | length 63
  Top w8: BALUN.3@-197,323.48 BT.32@-140.52,323.48 ; BALUN.3@-196.13,321.04 cw(c-190.24,315.15) -190.24,323.48
BAL2: BALUN.4 BT.31 | length 70.7
  Top w8: BALUN.4@-196.68,342.49 cw(c-195.08,331.92) -187.52,339.48 ; BALUN.4@-196.52,348.48 -187.52,339.48 ; BT.31@-139.52,339.48 -187.52,339.48
BAL3: BALUN1.4 BT1.31 | length 84.1
  Top w8: BALUN1.4@1027.18,1250.34 ccw(c1040.59,1250.34) 1031.11,1240.85 ; BALUN1.4@1029.48,1254.48 1023.48,1248.48 BT1.31@1069.48,1202.48
BAL4: BALUN1.3 BT1.32 | length 84.1
  Top w8: BALUN1.3@1006.48,1230.48 1012.48,1237.48 BT1.32@1058.48,1191.48 ; BALUN1.3@1010.81,1233.97 cw(c1010.81,1221.47) 1019.65,1230.31
BAL5: BALUN2.4 BT2.31 | length 82.2
  Top w8: BALUN2.4@2180.18,1250.34 ccw(c2191.18,1250.34) 2183.4,1242.56 ; BALUN2.4@2183.48,1254.48 2177.48,1248.48 BT2.31@2223.48,1202.48
BAL6: BALUN2.3 BT2.32 | length 86.7
  Top w8: BALUN2.3@2159.48,1230.48 2166.48,1237.48 BT2.32@2212.48,1191.48 ; BALUN2.3@2163.81,1233.97 cw(c2163.81,1219.06) 2174.36,1229.6
BAL7: BALUN4.4 BT4.31 | length 82.2
  Top w8: BT4.31@1536.48,272.48 1582.48,226.48 BALUN4.4@1576.48,220.48 ; 1576.56,232.4 cw(c1568.78,224.62) BALUN4.4@1579.78,224.62
BAL8: BALUN4.3 BT4.32 | length 86.7
  Top w8: BT4.32@1547.48,283.48 1593.48,237.48 BALUN4.3@1600.48,244.48 ; 1585.6,245.36 ccw(c1596.15,255.9) BALUN4.3@1596.15,240.99
BAL9: BALUN5.4 BT5.31 | length 84.8
  Top w8: BT5.31@2690.48,272.48 2736.48,226.48 BALUN5.4@2729.48,220.48 ; 2728.85,234.11 cw(c2719.37,224.62) BALUN5.4@2732.78,224.62
BAL10: BALUN5.3 BT5.32 | length 84.1
  Top w8: BT5.32@2701.48,283.48 2747.48,237.48 BALUN5.3@2753.48,244.48 ; 2740.31,244.65 ccw(c2749.15,253.49) BALUN5.3@2749.15,240.99
BAL11: BALUN3.4 BT3.31 | length 84.8
  Top w8: BALUN3.4@3334.18,1250.34 ccw(c3347.59,1250.34) 3338.11,1240.85 ; BALUN3.4@3337.48,1254.48 3330.48,1248.48 BT3.31@3376.48,1202.48
BAL12: BALUN3.3 BT3.32 | length 84.1
  Top w8: BALUN3.3@3313.48,1230.48 3319.48,1237.48 BT3.32@3365.48,1191.48 ; BALUN3.3@3317.81,1233.97 cw(c3317.81,1221.47) 3326.65,1230.31
BAL13: BALUN6.4 BT6.31 | length 82.2
  Top w8: BT6.31@3843.48,272.48 3889.48,226.48 BALUN6.4@3883.48,220.48 ; 3883.56,232.4 cw(c3875.78,224.62) BALUN6.4@3886.78,224.62
BAL14: BALUN6.3 BT6.32 | length 86.7
  Top w8: BT6.32@3854.48,283.48 3900.48,237.48 BALUN6.3@3907.48,244.48 ; 3892.6,245.36 ccw(c3903.15,255.9) BALUN6.3@3903.15,240.99
BT1_SWDIO: BT1.23 DEBUG1.2 P2_11.1 U1.A6 | length 3172.7
  Top w8: v1@174.95,1038.35 cw(c168.12,1031.52) 177.78,1031.52 cw(c187.44,1031.52) v1@180.61,1038.35 ; U1.A6@175.66,1018.04 ccw(c170.54,1023.17) 177.78,1023.17 ccw(c185.02,1023.17) U1.A6@179.9,1018.04 ; U1.A6@177.78,1015.92 v1(177.78,1041.18) ; v1@558.48,1365.02 cw(c563.31,1356.65) 565.81,1365.98 cw(c568.31,1375.31) v1@559.94,1370.48 ; v1@559.31,1365.65 cw(c566.14,1358.82) 566.14,1368.48 cw(c566.14,1378.14) v1@559.31,1371.31 ; 570.22,1368.48 cw(c570.22,1351.26) P2_11.1@585.2,1359.76 ; 571.87,1368.48 ccw(c571.87,1380.59) P2_11.1@580.43,1372.03 ; P2_11.1@578.24,1355.81 ccw(c556.48,1343.46) v1(556.48,1368.48) 616.48,1368.48 P2_11.1@622.48,1362.48 ; BT1.23@1189.48,1258.48 1206.48,1274.48 1303.48,1274.48 1309.48,1269.48 1346.48,1269.48 1397.48,1320.48 1397.48,1387.48 1404.48,1394.48 1526.48,1394.48 v1(1582.48,1450.48) ; 1237.35,1274.48 cw(c1237.35,1230.85) DEBUG1.2@1268.2,1261.7 ; 1256.67,1274.48 cw(c1256.67,1250.17) DEBUG1.2@1273.86,1267.36 ; DEBUG1.2@1261.49,1274.48 ccw(c1261.49,1283.97) DEBUG1.2@1268.2,1277.26 ; DEBUG1.2@1340.98,1272.48 ccw(c1340.98,1293) DEBUG1.2@1355.49,1278.49 ; DEBUG1.2@1340.98,1280.48 ccw(c1340.98,1320.31) 1369.15,1292.15 ; DEBUG1.2@1351.98,1269.48 cw(c1365.26,1269.48) DEBUG1.2@1355.87,1278.87 ; v1@1578.48,1450.48 cw(c1568.82,1450.48) 1575.65,1443.65 cw(c1582.48,1436.82) v1@1582.48,1446.48
  Route2 w8: v1@556.48,1364.48 cw(c556.48,1348.64) 567.68,1359.84 ; v1@558.42,1369.1 680.56,1246.96 680.56,992.4 v4(726.48,946.48) ; v4@709.98,946.48 ccw(c670.15,946.48) 698.31,974.65 ccw(c726.48,1002.81) v4@726.48,962.98 ; v4@717.98,946.48 ccw(c697.46,946.48) 711.97,960.99 ccw(c726.48,975.5) v4@726.48,954.98
  Route15 w8: v1(177.78,1041.18) 505.08,1368.48 v1(556.48,1368.48) ; v1@177.78,1045.18 ccw(c177.78,1054.84) 184.61,1048.01 ccw(c191.44,1041.18) v1@181.78,1041.18 ; v1@553.65,1365.65 ccw(c546.82,1358.82) 546.82,1368.48 ccw(c546.82,1378.14) v1@553.65,1371.31 ; v4(726.48,946.48) 818.48,946.48 1322.48,1450.48 v1(1582.48,1450.48) ; v4@732.49,940.47 cw(c747,925.96) 747,946.48 cw(c747,967) v4@732.49,952.49 ; v4@738.15,934.81 cw(c766.31,906.65) 766.31,946.48 cw(c766.31,986.31) v4@738.15,958.15 ; v1@1579.65,1447.65 ccw(c1572.82,1440.82) 1572.82,1450.48 ccw(c1572.82,1460.14) v1@1579.65,1453.31